# Altium PCB Copy of DIOT_temperature_logger.PcbDoc (part 4 of 7) (continued)
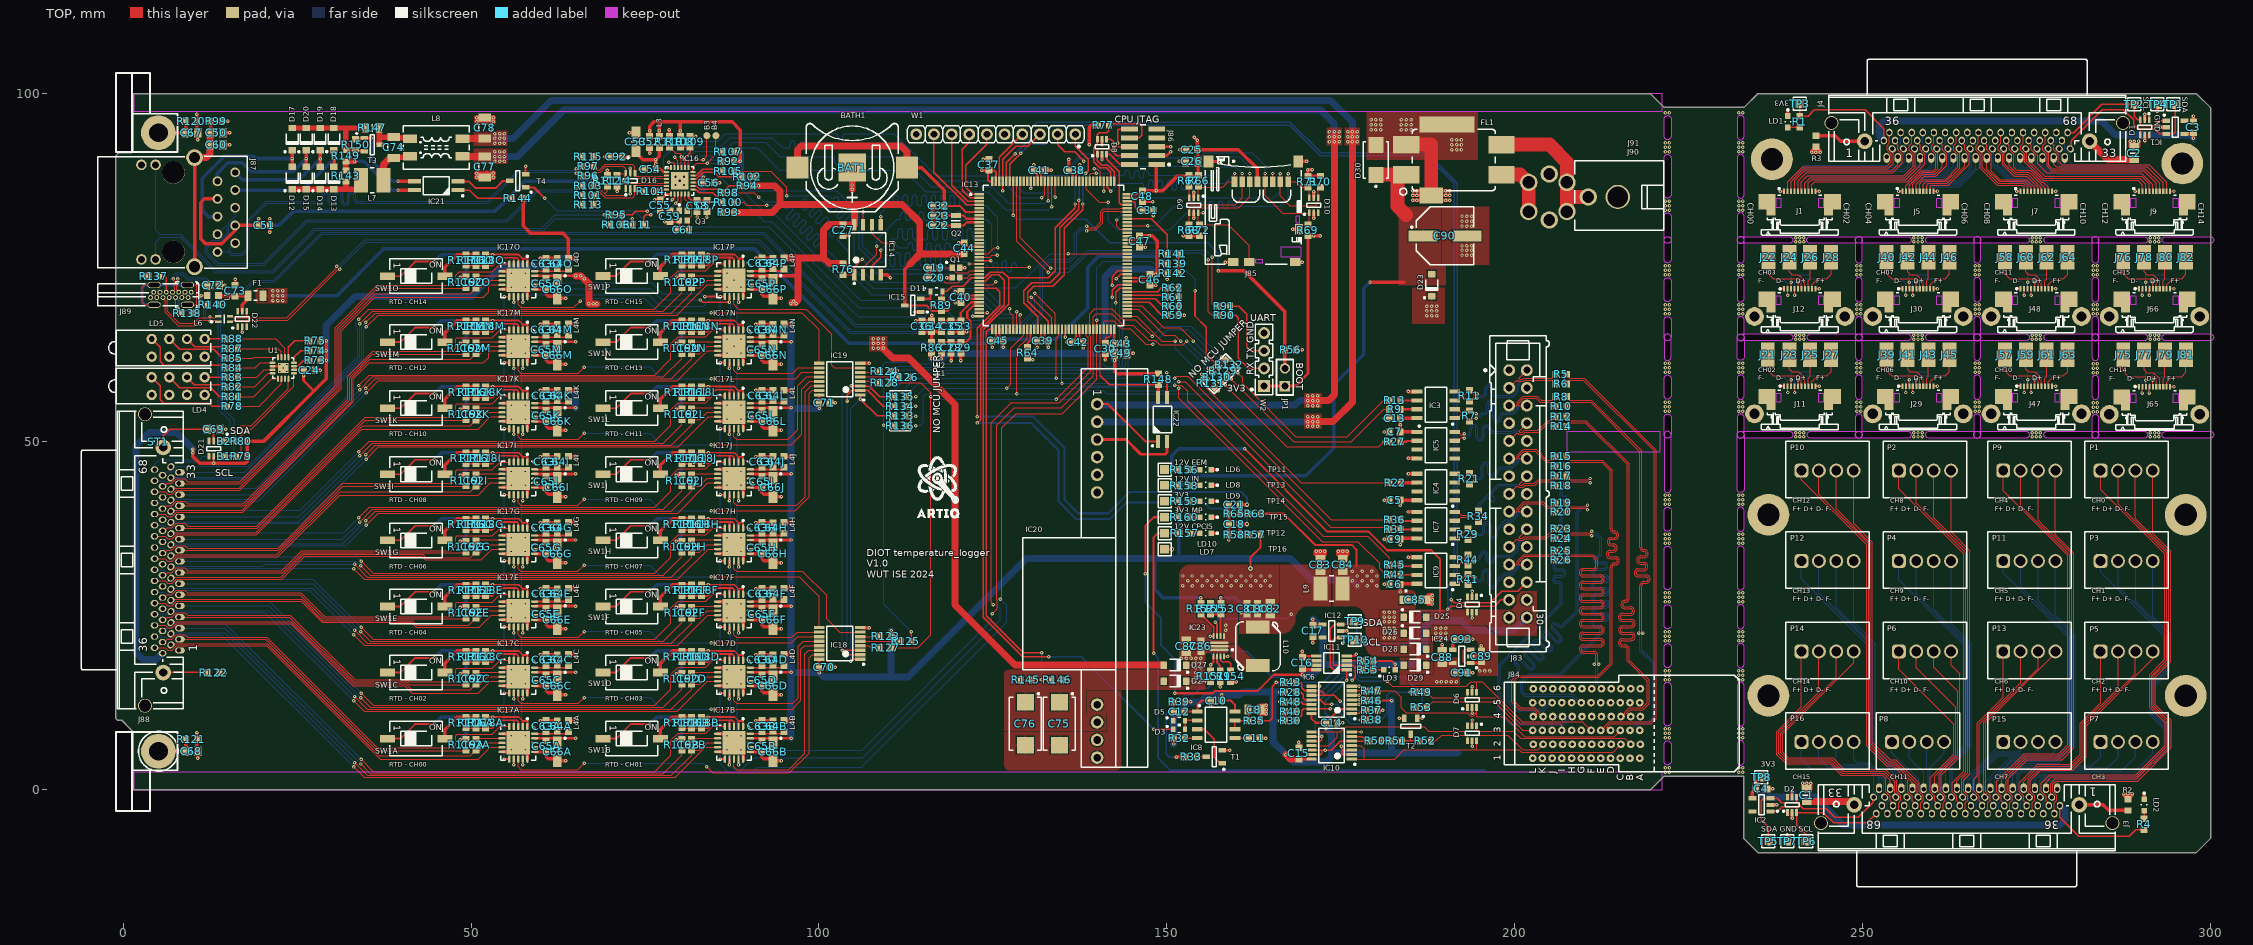
[diagram p0: TOP view]
## Nets (pads, with @x,y where several pads share a name; then routed paths per layer and width w, separated by ;. In a path a pad name is that pad's centre, name@x,y a point inside that pad or via, vN(x,y) a via of type N, cw(c..) or ccw(c..) an arc to the next point about the centre after c; other vN are vias at no path point) (continued)
  TOP w0.6: C20.2@115.8,73.6 C19.1@115.8,75 ; C22.2@116.4,81.1 C23.2@116.4,82.5 C32.1@116.4,83.9 ; C8.1@163.5,10.9 164.275,10.9 v1@164.275,11.5 ; C8.1@163.5,11.5 v1@164.275,11.5 ; C8.1@163.5,12.1 164.275,12.1 v1@164.275,11.5 ; C85.2@187,27.3 187.625,26.675 v1(188.15,26.675) v1(188.15,27.3) v1(188.15,27.925) 187.625,27.925 C85.2@187,27.3
  TOP w0.7: C83.1@172.1,33.2 v1(172.1,34.25) ; C83.1@172.1,33.2 172.725,33.825 v1(172.725,34.25) v1(172.1,34.25) ; C83.1@172.1,33.2 171.475,33.825 v1(171.475,34.25) v1(172.1,34.25) ; C84.1@175.3,33.2 175.925,33.825 v1(175.925,34.25) v1(175.3,34.25) ; C84.1@175.3,33.2 174.675,33.825 v1(174.675,34.25) v1(175.3,34.25) ; C84.1@175.3,33.2 v1(175.3,34.25)
  TOP w0.8: v1(50.8,88) C77.1@52,88 v1(53.2,88) ; v1(50.8,88.6) v1(53.2,88.6) ; v1(50.8,96) v1(53.2,96) ; v1(50.8,96.6) C78.1@52,96.6 v1(53.2,96.6)
  TOP w1: v1(104.8,86.275) v1(104.8,86.905) BATH1.2@104.8,89.4
  TOP w2: D30.2@180.075,92.65 D30.2@180.125,92.7 ; FL1.4@184.425,92.7 188.025,92.7 188.025,86.1 FL1.4@188.025,85.4
  BOT w0.3: J89.B12@3.93,70.72 J89.A1@4.38,71.5 ; J89.B1@9.33,70.72 J89.A12@9.78,71.5 ; v1(238.201,86) J2.10@238.75,86 ; J2.1@243.25,86 v1@243.799,86.001 ; v1(255.2,86) J6.10@255.75,86 ; J6.1@260.25,86 v1@260.799,86.001 ; v1(272.2,86) J8.10@272.75,86 ; J8.1@277.25,86 v1@277.799,86.001 ; v1(289.2,86) J10.10@289.75,86 ; J10.1@294.25,86.001 v1(294.799,86.001)
  other v1: 221.7,2.475 222.274,2.475 232.226,2.475 232.8,2.475 221.7,3.125 222.274,3.125 232.226,3.125 232.8,3.125 55.8,5.725 57.8,5.725 86.8,5.725 88.8,5.725 221.7,7.425 222.274,7.425 232.226,7.425 232.8,7.425 57.8,7.725 88.8,7.725 221.7,8.075 222.274,8.075 232.226,8.075 232.8,8.075 221.7,8.725 222.274,8.725 232.226,8.725 232.8,8.725 164.325,10.9 164.325,11.5 164.325,12.1 55.8,15.225 57.8,15.225 86.8,15.225 88.8,15.225 221.7,15.8 222.274,15.8 232.226,15.8 232.8,15.8 221.7,16.45 222.274,16.45 232.226,16.45 232.8,16.45 221.7,17.1 222.274,17.1 232.226,17.1 232.8,17.1 57.8,17.225 88.8,17.225 221.7,21.4 222.274,21.4 232.226,21.4 232.8,21.4 221.7,22.05 222.274,22.05 232.226,22.05 232.8,22.05 221.7,22.7 222.274,22.7 232.226,22.7 232.8,22.7 158.475,22.9 158.475,23.6 55.8,24.725 57.8,24.725 86.8,24.725 88.8,24.725 57.8,26.725 88.8,26.725 221.7,27 222.274,27 232.226,27 232.8,27 221.7,27.65 222.274,27.65 232.226,27.65 232.8,27.65 221.7,28.3 222.274,28.3 232.226,28.3 232.8,28.3 152.3,29.3 153.7,29.3 155.1,29.3 156.5,29.3 157.9,29.3 159.3,29.3 160.7,29.3 162.1,29.3 163.5,29.3 164.9,29.3 153,30 154.4,30 155.8,30 157.2,30 158.6,30 160,30 161.4,30 162.8,30 164.2,30 152.3,30.7 153.7,30.7 155.1,30.7 156.5,30.7 157.9,30.7 159.3,30.7 160.7,30.7 162.1,30.7 163.5,30.7 164.9,30.7 55.8,34.225 57.8,34.225 86.8,34.225 88.8,34.225 221.7,35.4 222.274,35.4 232.226,35.4 232.8,35.4 221.7,36.05 222.274,36.05 232.226,36.05 232.8,36.05 57.8,36.225 88.8,36.225 221.7,36.7 222.274,36.7 232.226,36.7 232.8,36.7 221.7,41 222.274,41 232.226,41 232.8,41 221.7,41.65 222.274,41.65 232.226,41.65 232.8,41.65 221.7,42.3 222.274,42.3 232.226,42.3 232.8,42.3 55.8,43.725 57.8,43.725 86.8,43.725 88.8,43.725 57.8,45.725 88.8,45.725 240.4,50.726 241,50.726 241.6,50.725 257.4,50.726 258,50.726 258.6,50.725 274.4,50.726 275,50.726 275.6,50.725 291.4,50.726 292,50.726 292.6,50.725 240.4,51.3 241,51.3 241.6,51.3 257.4,51.3 258,51.3 258.6,51.3 274.4,51.3 275,51.3 275.6,51.3 291.4,51.3 292,51.3 292.6,51.3 55.8,53.225 57.8,53.225 86.8,53.225 88.8,53.225 283.225,54.328 283.8,54.328 221.7,54.399 222.274,54.399 232.226,54.399 232.8,54.399 249.225,54.399 249.8,54.399 266.225,54.399 266.8,54.399 283.225,54.978 283.8,54.978 221.7,55.049 222.274,55.049 232.226,55.049 232.8,55.049 249.225,55.049 249.8,55.049 266.225,55.049 266.8,55.049 57.8,55.225 88.8,55.225 283.225,55.628 283.8,55.628 221.7,55.699 222.274,55.699 232.226,55.699 232.8,55.699 249.225,55.699 249.8,55.699 266.225,55.699 266.8,55.699 243.8,58 283.225,59.928 283.8,59.928 221.7,60 222.274,60 232.226,60 232.8,60 249.225,60 249.8,60 266.225,60 266.8,60 22.504,60.1 23.5,60.1 283.225,60.578 283.8,60.578 221.7,60.65 222.274,60.65 232.226,60.65 232.8,60.65 249.225,60.65 249.8,60.65 266.225,60.65 266.8,60.65 23.504,61.097 22.504,61.1 283.225,61.228 283.8,61.228 221.7,61.3 222.274,61.3 232.226,61.3 232.8,61.3 249.225,61.3 249.8,61.3 266.225,61.3 266.8,61.3 55.8,62.725 57.8,62.725 86.8,62.725 88.8,62.725 87.8,63.725 57.8,64.725 88.8,64.725 240.4,64.726 241,64.726 241.6,64.725 257.4,64.726 258,64.726 258.6,64.725 274.4,64.726 275,64.726 275.6,64.725 291.4,64.726 292,64.726 292.6,64.725 240.4,65.3 241,65.3 241.6,65.3 257.4,65.3 258,65.3 258.6,65.3 274.4,65.3 275,65.3 275.6,65.3 291.4,65.3 292,65.3 292.6,65.3 221.7,68.399 222.274,68.399 232.226,68.399 232.8,68.399 249.226,68.399 249.8,68.399 266.226,68.399 266.8,68.399 283.226,68.399 283.8,68.399 221.7,69.049 222.274,69.049 232.226,69.049 232.8,69.049 249.226,69.049 249.8,69.049 266.226,69.049 266.8,69.049 283.226,69.049 283.8,69.049 221.7,69.699 222.274,69.699 232.226,69.699 232.8,69.699 249.226,69.699 249.8,69.699 266.226,69.699 266.8,69.699 283.226,69.699 283.8,69.699 238.201,72 243.8,72.001 255.201,72 272.201,72 289.201,72 55.8,72.2 57.8,72.2 86.8,72.225 88.8,72.225 87.8,73.225 118.4,73.6 221.7,74 222.274,74 232.226,74 232.8,74 249.226,74 249.8,74 266.226,74 266.8,74 283.226,73.999 283.8,73.999 57.8,74.2 221.7,74.65 222.274,74.65 232.226,74.65 232.8,74.65 249.226,74.65 249.8,74.65 266.226,74.65 266.8,74.65 283.226,74.649 283.8,74.649 221.7,75.3 222.274,75.3 232.226,75.3 232.8,75.3 249.226,75.3 249.8,75.3 266.226,75.3 266.8,75.3 283.226,75.299 283.8,75.299 192.45,76.8 193.15,76.8 193.85,76.8 192.45,77.5 193.15,77.5 193.85,77.5 192.45,78.2 193.15,78.2 193.85,78.2 240.4,78.726 241,78.726 241.6,78.726 257.4,78.726 258,78.726 258.6,78.725 274.4,78.725 275,78.725 275.6,78.724 291.4,78.725 292,78.725 292.6,78.724 240.4,79.3 241,79.3 241.6,79.3 257.4,79.3 258,79.3 258.6,79.3 274.4,79.3 275,79.3 275.6,79.3 291.4,79.3 292,79.3 292.6,79.3 192.45,81 193.15,81 193.85,81 192.45,81.7 193.15,81.7 193.85,81.7 192.45,82.4 193.15,82.4 193.85,82.4 221.7,83.3 222.274,83.3 232.226,83.3 232.8,83.3 221.7,83.95 222.274,83.95 232.226,83.95 232.8,83.95 221.7,84.6 222.274,84.6 232.226,84.6 232.8,84.6 185.95,84.7 190.1,84.7 190.675,84.7 185.95,85.4 190.1,85.4 243.8,86.001 260.799,86.001 277.799,86.001 185.95,86.1 190.1,86.1 221.7,91.7 222.274,91.7 232.226,91.7 232.8,91.7 190.975,92 191.675,92 192.375,92 221.7,92.35 222.274,92.35 232.226,92.35 232.8,92.35 190.975,92.7 191.675,92.7 192.375,92.7 221.7,93 222.274,93 232.226,93 232.8,93 190.975,93.4 191.675,93.4 192.375,93.4 179.375,94.875 180.075,94.875 180.775,94.875 183.725,94.875 184.425,94.875 185.125,94.875 179.375,95.575 180.075,95.575 180.775,95.575 183.725,95.575 184.425,95.575 185.125,95.575 179.375,96.275 180.075,96.275 180.775,96.275 183.725,96.275 184.425,96.275 185.125,96.275 221.7,97.301 222.274,97.301 232.226,97.301 232.8,97.301
  other v2: 79.4,86.9 80.6,86.9 80,87.5 79.4,88.1 80.6,88.1
GNDF: FL1.3 J90.1 J90.2 J91.1 | length 20.6
  TOP w2: FL1.3@198.125,92.7 205,92.7 207.541,90.159 J90.1@207.541,87.285 207.541,85.275 ; J90.2@207.541,83.085 207.541,85.275 ; J91.1@210.597,85.185 207.631,85.185 207.541,85.275
HWREV0: IC13.77 R59.1 | length 6.5
  TOP w0.2: IC13.77@144.325,70.05 147.475,70.05 149.325,68.2 R59.1@150.1,68.2
HWREV1: IC13.78 R60.1 | length 6.2
  TOP w0.2: IC13.78@144.325,70.55 148.375,70.55 149.425,69.5 R60.1@150.1,69.5
HWREV2: IC13.79 R61.1 | length 5.9
  TOP w0.2: IC13.79@144.325,71.05 149.85,71.05 R61.1@150.1,70.8
HWREV3: IC13.80 R62.1 | length 6
  TOP w0.2: IC13.80@144.325,71.55 144.35,71.575 148.725,71.575 149.25,72.1 R62.1@150.1,72.1
I2C_SCL: D4.4 IC10.9 IC10.10 IC11.2 IC12.1 IC13.139 J83.27 TP10.1 | length 189.8
  TOP w0.2: IC13.139@127.45,87.425 127.45,89.875 v1(129.025,91.45) ; IC10.10@170.8,6.975 172.05,6.975 172.271,7.196 v1@172.271,7.625 ; IC10.9@170.8,7.625 v1@172.271,7.625 ; v1(172.275,7.65) 172.275,7.629 v1@172.271,7.625 ; IC11.2@175.875,17.9 174.483,17.9 174.478,17.905 174.12,17.905 173.95,18.075 173.95,21.55 174.25,21.85 IC12.1@175,21.85 176.735,21.85 177.293,21.293 177.5,21.5 v1(177.935,21.5) ; IC11.2@175.9,17.875 176.78,17.875 177.107,17.548 177.107,16.157 v1(176.675,15.725) ; v1(190.4,25.925) 190.825,26.35 193.25,26.35 ; D4.4@193.25,25.5 193.25,26.35 ; J83.27@199.23,27.26 198.035,27.26 197.125,26.35 193.25,26.35
  BOT w0.2: v1(129.025,91.45) 130.35,92.775 132.575,92.775 133.15,93.35 133.15,94.95 133.725,95.525 167.675,95.525 172.102,91.098 187.327,91.098 191.3,87.125 191.3,30.125 190.4,29.225 v1(190.4,25.925) 190.15,25.675 186.85,25.675 185.709,24.534 185.709,22.134 184.55,20.975 178.46,20.975 v1(177.935,21.5) ; v1(172.275,7.65) 171.375,8.55 171.375,12.175 175.45,16.25 176.137,16.25 176.662,15.725 v1(176.675,15.725)
I2C_SDA: D4.3 IC10.2 IC10.3 IC11.1 IC12.3 IC13.140 J83.26 TP9.1 | length 200.3
  TOP w0.2: IC13.140@126.95,87.425 126.95,90.125 v1(128.2,91.375) ; v1@175.129,6.196 175.129,5.675 ; v1(175.875,15.725) 175.9,15.75 IC11.1@175.9,17.225 174,17.225 173.525,17.7 173.525,23.15 174.125,23.75 IC12.3@175,23.75 176.55,23.75 TP9.1@177,24.2 177.25,24.45 177.5,24.2 v1(177.935,24.2) ; IC10.2@176.6,5.025 175.35,5.025 175.129,5.246 175.129,5.675 ; IC10.3@176.6,5.675 175.129,5.675 ; v1(190.9,27.275) 191.325,26.85 193.25,26.85 ; D4.3@193.25,27.7 193.25,26.85 ; J83.26@201.77,29.8 200.445,28.475 198.138,28.475 196.513,26.85 193.25,26.85
  BOT w0.2: v1(128.2,91.375) 130.5,93.675 130.5,95.05 131.4,95.95 167.775,95.95 172.2,91.525 187.4,91.525 191.75,87.175 191.75,29.85 190.9,29 v1(190.9,27.275) 190.9,25.65 190.475,25.225 187.1,25.225 186.125,24.25 186.125,21.85 184.85,20.575 177.9,20.575 177.285,21.19 177.285,23.6 177.885,24.2 v1(177.935,24.2) ; v1(175.125,6.2) 175.125,8.65 172.825,10.95 172.825,12.675 v1(175.875,15.725)
JRST: IC13.134
LED0: R88.1 U1.2 | length 8.6
  TOP w0.127: R88.1@16.5,64.8 21.9,64.8 23.25,63.45 U1.2@23.25,62.15
LED1: R87.1 U1.3 | length 7.2
  TOP w0.127: R87.1@16.5,63.4 22.275,63.4 22.75,62.925 U1.3@22.75,62.15
LED2: R85.1 U1.4 | length 5.8
  TOP w0.127: R85.1@16.5,62 18.6,62 18.75,62.15 U1.4@22.25,62.15
LED3: R84.1 U1.5 | length 5.3
  TOP w0.127: R84.1@16.5,60.6 18.95,60.6 19.7,61.35 U1.5@21.45,61.35
LED4: R83.1 U1.7 | length 5.4
  TOP w0.127: R83.1@16.5,59.3 19.225,59.3 20.275,60.35 U1.7@21.45,60.35
LED5: R82.1 U1.8 | length 5.8
  TOP w0.127: R82.1@16.5,57.9 18.9,57.9 20.85,59.85 U1.8@21.45,59.85
LED6: R81.1 U1.9 | length 6.8
  TOP w0.127: R81.1@16.5,56.5 18.8,56.5 21.35,59.05 U1.9@22.25,59.05
LED7: R78.1 U1.10 | length 8.3
  TOP w0.127: R78.1@16.5,55.1 19.55,55.1 22.75,58.3 U1.10@22.75,59.05
LEDR: IC16.2 R95.2 R106.2 | length 10.6
  TOP w0.2: R95.2@71.65,82.55 R106.2@71.65,81.2 R106.2@71.675,81.175 ; R95.2@71.65,82.6 73.15,82.6 73.7,83.15 75.325,83.15 v1(75.35,83.125) ; v1(78.925,84.775) 78.975,84.775 79.25,85.05 IC16.2@79.25,85.6
  BOT w0.2: v1(75.35,83.125) 75.925,83.7 77.85,83.7 v1(78.925,84.775)
LEDY: IC16.3 R111.2 | length 8
  TOP w0.2: R111.2@74.8,81.2 74.8,82.275 75.15,82.625 v1(75.85,82.625) ; v1(79.45,84.3) 79.75,84.6 IC16.3@79.75,85.6
  BOT w0.2: v1(75.85,82.625) 76.425,83.2 78.35,83.2 v1(79.45,84.3)
LVDS0_N: IC3.4 J83.3 R6.2 R11.2 | length 23.1
  TOP w0.127: IC3.4@191.4,57.205 191.837,57.205 192.342,56.7 192.75,56.7 193.45,57.4 R11.2@193.5,57.4 193.55,57.4 194.25,56.7 194.448,56.7 v1(194.625,56.877) ; J83.3@199.23,57.74 200.349,58.859 200.454,58.859 200.61,58.703 201.261,58.703 201.418,58.86 205.439,58.86 205.513,58.786 205.513,58.687 R6.2@205.9,58.3
  BOT w0.127: v1(194.625,56.877) 194.802,56.7 195.221,56.7 195.425,56.7 ccw(c195.425,57.017) 195.742,57.017 195.742,57.566 cw(c196.339,57.566) 196.936,57.566 196.936,57.017 ccw(c197.253,57.017) 197.253,56.7 199.661,56.7 199.925,56.964 200.271,57.309 200.271,58.108 200.528,58.365 200.528,58.785 200.454,58.859 200.349,58.859 J83.3@199.23,57.74
LVDS0_P: IC3.3 J83.2 R5.2 R11.1 | length 23.6
  TOP w0.127: IC3.3@191.4,55.935 191.875,55.935 192.37,56.43 192.82,56.43 193.45,55.8 R11.1@193.5,55.8 ; R11.1@193.55,55.8 194.171,56.421 194.625,56.421 v1(194.625,56.25) ; J83.2@201.77,60.28 200.651,59.162 200.651,59.057 200.726,58.982 201.145,58.982 201.303,59.14 205.439,59.14 205.513,59.214 205.513,59.313 R5.2@205.9,59.7
  BOT w0.127: v1(194.625,56.25) 194.796,56.42 195.221,56.42 195.425,56.42 ccw(c195.425,57.017) 196.022,57.017 196.022,57.566 cw(c196.339,57.566) 196.657,57.566 196.657,57.017 ccw(c197.253,57.017) 197.253,56.42 199.777,56.42 199.925,56.569 200.55,57.194 200.55,57.992 200.808,58.25 200.808,58.9 200.651,59.057 200.651,59.162 J83.2@201.77,60.28
LVDS1_N: IC3.1 J83.6 R7.1 R10.2 | length 23.8
  TOP w0.127: IC3.1@191.4,53.395 191.875,53.395 192.37,53.89 192.51,53.89 R7.1@193.5,52.9 193.987,53.386 v1(194.525,53.386) ; J83.6@201.305,55.2 200.714,55.2 200.64,55.275 200.64,55.542 201.339,56.241 203.136,56.241 203.717,55.66 205.439,55.66 205.513,55.586 205.513,55.487 R10.2@205.9,55.1
  BOT w0.127: v1(194.525,53.386) 194.699,53.56 195.06,53.56 195.421,53.921 195.469,53.921 195.673,53.921 ccw(c195.673,54.518) 196.27,54.518 196.27,55.369 cw(c196.587,55.369) 196.905,55.369 196.905,53.406 ccw(c197.501,53.406) 198.098,53.406 198.098,53.603 cw(c198.416,53.603) 198.416,53.921 199.817,53.921 200.64,54.743 200.64,55.126 200.714,55.2 J83.6@201.77,55.2
LVDS1_P: IC3.2 J83.5 R7.2 R8.2 | length 23.5
  TOP w0.127: IC3.2@191.4,54.665 191.875,54.665 192.37,54.17 192.606,54.17 192.937,54.5 R7.2@193.5,54.5 193.987,54.013 v1(194.525,54.013) ; J83.5@199.696,55.2 200.286,55.2 200.36,55.275 200.36,55.657 201.223,56.52 203.252,56.52 203.832,55.94 205.439,55.94 205.513,56.014 205.513,56.113 R8.2@205.9,56.5
  BOT w0.127: v1(194.525,54.013) 194.699,53.84 194.945,53.84 195.305,54.2 195.469,54.2 195.673,54.2 ccw(c195.673,54.518) 195.99,54.518 195.99,55.369 cw(c196.587,55.369) 197.184,55.369 197.184,53.406 ccw(c197.501,53.406) 197.819,53.406 197.819,53.603 cw(c198.416,53.603) 198.416,54.2 199.701,54.2 199.817,54.316 200.36,54.859 200.36,55.126 200.286,55.2 J83.5@199.23,55.2
LVDS2_N: IC5.7 J83.9 R14.2 | length 24.3
  TOP w0.127: IC5.7@191.4,50.135 191.875,50.135 192.386,50.646 192.632,50.646 192.647,50.661 192.75,50.661 v1(192.75,50.5) ; J83.9@199.23,50.12 200.349,51.239 200.454,51.239 200.61,51.083 201.261,51.083 201.519,51.34 203.455,51.34 204.875,52.76 205.439,52.76 205.513,52.686 205.513,52.587 R14.2@205.9,52.2
  BOT w0.127: v1(192.75,50.5) 192.889,50.639 193.244,50.639 193.359,50.639 193.736,51.016 193.794,51.279 ccw(c192.895,51.477) 193.816,51.477 193.816,51.856 cw(c194.133,51.856) 194.133,52.174 cw(c194.133,51.856) 194.451,51.856 194.451,50.733 ccw(c195.048,50.733) 195.048,50.136 ccw(c195.048,50.733) 195.644,50.733 195.644,51.833 cw(c195.962,51.833) 195.962,52.151 cw(c195.962,51.833) 196.279,51.833 ccw(c196.876,51.833) 196.876,51.236 198.778,51.236 199.673,51.236 199.855,51.419 200.274,51.419 200.349,51.344 200.349,51.239 J83.9@199.23,50.12
LVDS2_P: IC5.8 J83.8 R12.2 | length 24.3
  TOP w0.127: IC5.8@191.4,51.405 191.875,51.405 192.355,50.925 192.516,50.925 192.557,50.966 192.589,50.966 v1(192.75,51.127) ; J83.8@201.77,52.66 200.651,51.542 200.651,51.437 200.726,51.362 201.145,51.362 201.403,51.62 203.339,51.62 204.759,53.04 205.439,53.04 205.513,53.114 205.513,53.214 R12.2@205.9,53.6
  BOT w0.127: v1(192.75,51.127) 192.75,50.966 192.943,50.966 192.991,50.918 193.243,50.918 193.244,50.919 193.481,51.156 193.521,51.339 ccw(c192.895,51.477) 193.536,51.477 193.536,51.856 cw(c194.133,51.856) 194.133,52.453 cw(c194.133,51.856) 194.73,51.856 194.73,50.733 ccw(c195.048,50.733) 195.048,50.416 ccw(c195.048,50.733) 195.365,50.733 195.365,51.833 cw(c195.962,51.833) 195.962,52.43 cw(c195.962,51.833) 196.559,51.833 ccw(c196.876,51.833) 196.876,51.516 198.778,51.516 199.557,51.516 199.739,51.698 200.39,51.698 200.546,51.542 200.651,51.542 J83.8@201.77,52.66
LVDS3_N: IC4.3 J83.12 R16.2 R21.1 | length 23.8
  TOP w0.127: IC4.3@191.4,44.135 191.875,44.135 192.3,44.56 192.84,44.56 R21.1@193.5,43.9 193.55,43.9 194.2,44.55 194.3,44.45 v1(194.3,44.398) ; J83.12@201.77,47.58 200.714,47.58 200.64,47.655 200.64,47.922 201.339,48.621 202.984,48.621 204.545,47.06 205.439,47.06 205.513,46.986 205.513,46.887 R16.2@205.9,46.5
  BOT w0.127: v1(194.3,44.398) 194.3,44.559 194.493,44.559 194.508,44.574 194.705,44.574 194.908,44.574 ccw(c194.908,45.171) 195.505,45.171 195.505,46.505 cw(c195.823,46.505) 196.14,46.505 196.14,45.574 ccw(c196.737,45.574) 197.159,45.152 197.725,45.718 198.121,46.114 199.63,46.114 200.64,47.123 200.64,47.506 200.714,47.58 J83.12@201.77,47.58
LVDS3_P: IC4.4 J83.11 R15.2 R21.2 | length 23.8
  TOP w0.127: IC4.4@191.4,45.405 191.875,45.405 192.44,44.84 192.84,44.84 R21.2@193.5,45.5 193.55,45.5 193.937,45.113 193.937,45.111 194.148,44.9 194.175,44.9 v1(194.3,45.025) ; J83.11@199.23,47.58 200.286,47.58 200.36,47.655 200.36,48.037 201.223,48.9 203.1,48.9 204.66,47.34 205.439,47.34 205.513,47.414 205.513,47.513 R15.2@205.9,47.9
  BOT w0.127: v1(194.3,45.025) 194.472,44.853 194.705,44.853 194.821,44.853 194.908,44.853 ccw(c194.908,45.171) 195.226,45.171 195.226,46.505 cw(c195.823,46.505) 196.42,46.505 196.42,45.574 ccw(c196.737,45.574) 196.962,45.35 197.725,46.113 198.005,46.393 199.515,46.393 200.36,47.239 200.36,47.506 200.286,47.58 J83.11@199.23,47.58
LVDS4_N: IC7.4 J83.15 R18.2 R34.2 | length 24.2
  TOP w0.127: IC7.4@191.4,39.905 191.875,39.905 192.111,39.669 192.37,39.41 194.11,39.41 R34.2@194.8,40.1 195.3,39.6 v1(195.7,39.6) ; J83.15@199.23,42.5 200.349,43.619 200.454,43.619 200.61,43.463 201.261,43.463 201.519,43.72 202.955,43.72 203.494,44.26 205.439,44.26 205.513,44.186 205.513,44.087 R18.2@205.9,43.7
  BOT w0.127: v1(195.7,39.6) 195.526,39.426 195.374,39.426 195.05,39.75 195.05,40.925 195.409,41.284 195.902,41.777 cw(c196.127,41.553) 196.351,41.777 196.621,41.508 ccw(c196.845,41.733) 197.07,41.508 ccw(c196.845,41.733) 197.07,41.957 196.8,42.226 cw(c197.025,42.451) 196.8,42.675 197.663,43.538 197.767,43.642 200.183,43.642 200.25,43.575 200.25,43.52 J83.15@199.23,42.5
LVDS4_P: IC7.3 J83.14 R17.2 R34.1 | length 23.8
  TOP w0.127: IC7.3@191.4,38.635 191.875,38.635 192.37,39.13 194.054,39.13 194.685,38.5 R34.1@194.8,38.5 195.273,38.973 v1(195.7,38.973) ; J83.14@201.77,45.04 200.651,43.922 200.651,43.817 200.726,43.742 201.145,43.742 201.403,44 202.839,44 203.379,44.54 205.439,44.54 205.513,44.614 205.513,44.713 R17.2@205.9,45.1
  BOT w0.127: v1(195.7,38.973) 195.526,39.147 195.258,39.147 194.771,39.634 194.771,41.041 197.652,43.922 200.651,43.922 J83.14@201.77,45.04
LVDS5_N: IC7.1 J83.18 R20.2 R29.1 | length 24.2
  TOP w0.127: IC7.1@191.4,36.095 191.875,36.095 192.34,36.56 192.64,36.56 R29.1@193.3,35.9 ; R29.1@193.35,35.9 194.01,36.56 194.106,36.56 194.157,36.509 194.189,36.509 v1(194.35,36.348) ; J83.18@201.77,39.96 200.714,39.96 200.64,40.035 200.64,40.302 201.432,41.094 204.02,41.094 204.704,40.41 205.44,40.41 205.9,39.95 R20.2@205.9,39.9
  BOT w0.127: v1(194.35,36.348) 194.527,36.525 194.922,36.525 195.125,36.525 ccw(c195.125,37.122) 195.722,37.122 195.722,37.928 cw(c196.04,37.928) 196.357,37.928 196.357,36.665 ccw(c196.954,36.665) 197.551,36.665 197.551,37.17 cw(c197.869,37.17) 197.644,37.394 198.633,38.383 198.754,38.504 199.64,38.504 200.64,39.503 200.64,39.886 200.714,39.96 J83.18@201.77,39.96
LVDS5_P: IC7.2 J83.17 R19.2 R29.2 | length 24.3
  TOP w0.127: IC7.2@191.4,37.365 191.875,37.365 192.4,36.84 192.64,36.84 R29.2@193.3,37.5 ; R29.2@193.35,37.5 194.01,36.84 194.222,36.84 194.247,36.814 194.35,36.814 v1(194.35,36.975) ; J83.17@199.23,39.96 200.286,39.96 200.36,40.035 200.36,40.417 201.317,41.373 204.136,41.373 204.82,40.69 205.44,40.69 205.9,41.15 R19.2@205.9,41.2
  BOT w0.127: v1(194.35,36.975) 194.521,36.804 194.922,36.804 195.125,36.804 ccw(c195.125,37.122) 195.443,37.122 195.443,37.928 cw(c196.04,37.928) 196.637,37.928 196.637,36.665 ccw(c196.954,36.665) 197.272,36.665 197.272,37.17 cw(c197.869,37.17) 197.447,37.592 198.633,38.778 198.638,38.783 199.525,38.783 200.36,39.619 200.36,39.886 200.286,39.96 J83.17@199.23,39.96
LVDS6_N: IC9.4 J83.21 R24.2 R44.2 | length 23.4
  TOP w0.127: IC9.4@191.4,33.405 191.875,33.405 192.175,33.105 192.605,33.105 R44.2@193.3,33.8 193.798,33.302 v1(194.225,33.302) ; J83.21@199.23,34.88 200.349,35.999 200.454,35.999 200.61,35.843 201.261,35.843 201.452,36.034 204.559,36.034 205.185,36.66 205.439,36.66 205.513,36.586 205.513,36.487 R24.2@205.9,36.1
  BOT w0.127: v1(194.225,33.302) 194.408,33.119 194.567,33.119 194.756,33.308 194.879,33.431 ccw(c194.424,33.883) 195.048,33.734 cw(c195.645,33.718) 195.645,34.315 cw(c195.645,33.718) 196.241,33.718 196.241,33.116 ccw(c196.559,33.116) 196.559,32.798 ccw(c196.559,33.116) 196.876,33.116 cw(c197.473,33.116) 197.473,33.713 198.856,33.713 199.534,33.713 200.271,34.449 200.271,35.248 200.528,35.505 200.528,35.925 200.454,35.999 200.349,35.999 J83.21@199.23,34.88
LVDS6_P: IC9.3 J83.20 R23.2 R44.1 | length 23.9
  TOP w0.127: IC9.3@191.4,32.135 191.875,32.135 192.37,32.63 192.87,32.63 R44.1@193.3,32.2 193.775,32.675 v1(194.225,32.675) ; J83.20@201.77,37.42 200.651,36.302 200.651,36.197 200.726,36.122 201.145,36.122 201.337,36.314 204.444,36.314 205.07,36.94 205.439,36.94 205.513,37.014 205.513,37.113 R23.2@205.9,37.5
  BOT w0.127: v1(194.225,32.675) 194.225,32.861 194.27,32.861 194.292,32.84 194.683,32.84 194.756,32.912 195.077,33.233 ccw(c194.424,33.883) 195.324,33.689 ccw(c195.187,33.718) 195.327,33.717 cw(c195.645,33.718) 195.645,34.035 cw(c195.645,33.718) 195.962,33.718 195.962,33.116 ccw(c196.559,33.116) 196.559,32.519 ccw(c196.559,33.116) 197.156,33.116 cw(c197.473,33.116) 197.473,33.433 198.856,33.433 199.65,33.433 200.55,34.334 200.55,35.132 200.808,35.39 200.808,36.04 200.651,36.197 200.651,36.302 J83.20@201.77,37.42
LVDS7_N: IC9.1 J83.24 R26.2 R41.1 | length 23.4
  TOP w0.127: IC9.1@191.4,29.595 191.875,29.595 192.351,30.071 192.579,30.071 193.25,29.4 R41.1@193.3,29.4 ; R41.1@193.35,29.4 R41.1@193.3,29.4 ; v1(194.25,29.875) 193.775,29.875 R41.1@193.3,29.4 ; J83.24@201.77,32.34 200.714,32.34 200.64,32.415 200.64,32.682 201.468,33.51 205.44,33.51 205.9,33.05 R26.2@205.9,33
  BOT w0.127: v1(194.25,29.875) 194.81,29.875 195.013,29.875 ccw(c195.013,30.472) 195.61,30.472 195.61,31.095 cw(c195.927,31.095) 196.245,31.095 196.245,29.537 ccw(c196.842,29.537) 197.439,29.537 cw(c197.756,29.537) 197.532,29.762 198.666,30.896 198.737,30.896 199.652,30.896 200.64,31.883 200.64,32.266 200.714,32.34 J83.24@201.77,32.34
LVDS7_P: IC9.2 J83.23 R25.2 R41.2 | length 23.6
  TOP w0.127: IC9.2@191.4,30.865 191.875,30.865 192.111,30.628 192.39,30.35 192.6,30.35 193.25,31 R41.2@193.3,31 ; R41.2@193.35,31 R41.2@193.3,31 ; v1(194.25,30.502) 193.798,30.502 R41.2@193.3,31 ; J83.23@199.23,32.34 200.286,32.34 200.36,32.415 200.36,32.797 201.353,33.79 205.44,33.79 205.9,34.25 R25.2@205.9,34.3
  BOT w0.127: v1(194.25,30.502) 194.25,30.341 194.443,30.341 194.629,30.154 194.81,30.154 195.013,30.154 ccw(c195.013,30.472) 195.331,30.472 195.331,31.095 cw(c195.927,31.095) 196.524,31.095 196.524,29.537 ccw(c196.842,29.537) 197.159,29.537 cw(c197.756,29.537) 197.334,29.959 198.55,31.175 198.737,31.175 199.536,31.175 200.36,31.999 200.36,32.266 200.286,32.34 J83.23@199.23,32.34
MAX_CH_A0: IC13.81 IC18.1 IC19.1 R133.1 | length 99.3
  TOP w0.2: v1(104.55,18.45) 104.825,18.725 IC18.1@105.925,18.725 ; IC19.1@105.95,56.725 v1(105.95,56.125) 108.375,53.7 R133.1@110.9,53.7 ; v1(142.675,69.95) 142.675,71.5 143.225,72.05 IC13.81@144.325,72.05
  BOT w0.152: v1(104.55,18.45) 104.55,54.725 v1(105.95,56.125) 110.7,60.875 113.35,60.875 113.525,60.7 140.45,60.7 140.85,60.3 142.925,60.3 143.65,61.025 143.65,63.575 142.675,64.55 v1(142.675,69.95)
MAX_CH_A1: IC13.82 IC18.2 IC19.2 R134.1 | length 102.7
  TOP w0.2: v1(104.05,19.375) IC18.2@105.925,19.375 ; v1(104.05,55.85) 104.05,56.725 104.7,57.375 IC19.2@105.95,57.375 107,57.375 109.275,55.1 R134.1@110.9,55.1 ; v1(142.175,70.775) 142.175,71.75 142.975,72.55 IC13.82@144.325,72.55
  BOT w0.152: v1(104.05,19.375) v1(104.05,55.85) 109.6,61.4 113.55,61.4 113.75,61.2 140.825,61.2 141.262,60.762 142.788,60.762 143.275,61.25 143.275,62.975 142.175,64.075 v1(142.175,70.775)
MAX_CH_A2: IC13.85 IC18.3 IC19.3 R135.1 | length 100
  TOP w0.2: v1(103.35,20.025) IC18.3@105.925,20.025 ; v1(104.625,58.025) IC19.3@105.95,58.025 105.975,58 107.25,58 108.775,56.475 v1(109.875,56.475) 109.9,56.5 R135.1@110.9,56.5 ; v1(142.725,73.425) 142.762,73.425 143.387,74.05 IC13.85@144.325,74.05
  BOT w0.152: v1(103.35,20.025) 103.35,56.75 v1(104.625,58.025) ; v1(109.875,56.475) 109.938,56.475 113.288,59.825 139.75,59.825 140.075,59.5 143.325,59.5 144.5,60.675 144.5,63.975 143.7,64.775 143.7,72.45 v1(142.725,73.425)